# KiCad board doom v1.kicad_pcb (continued)
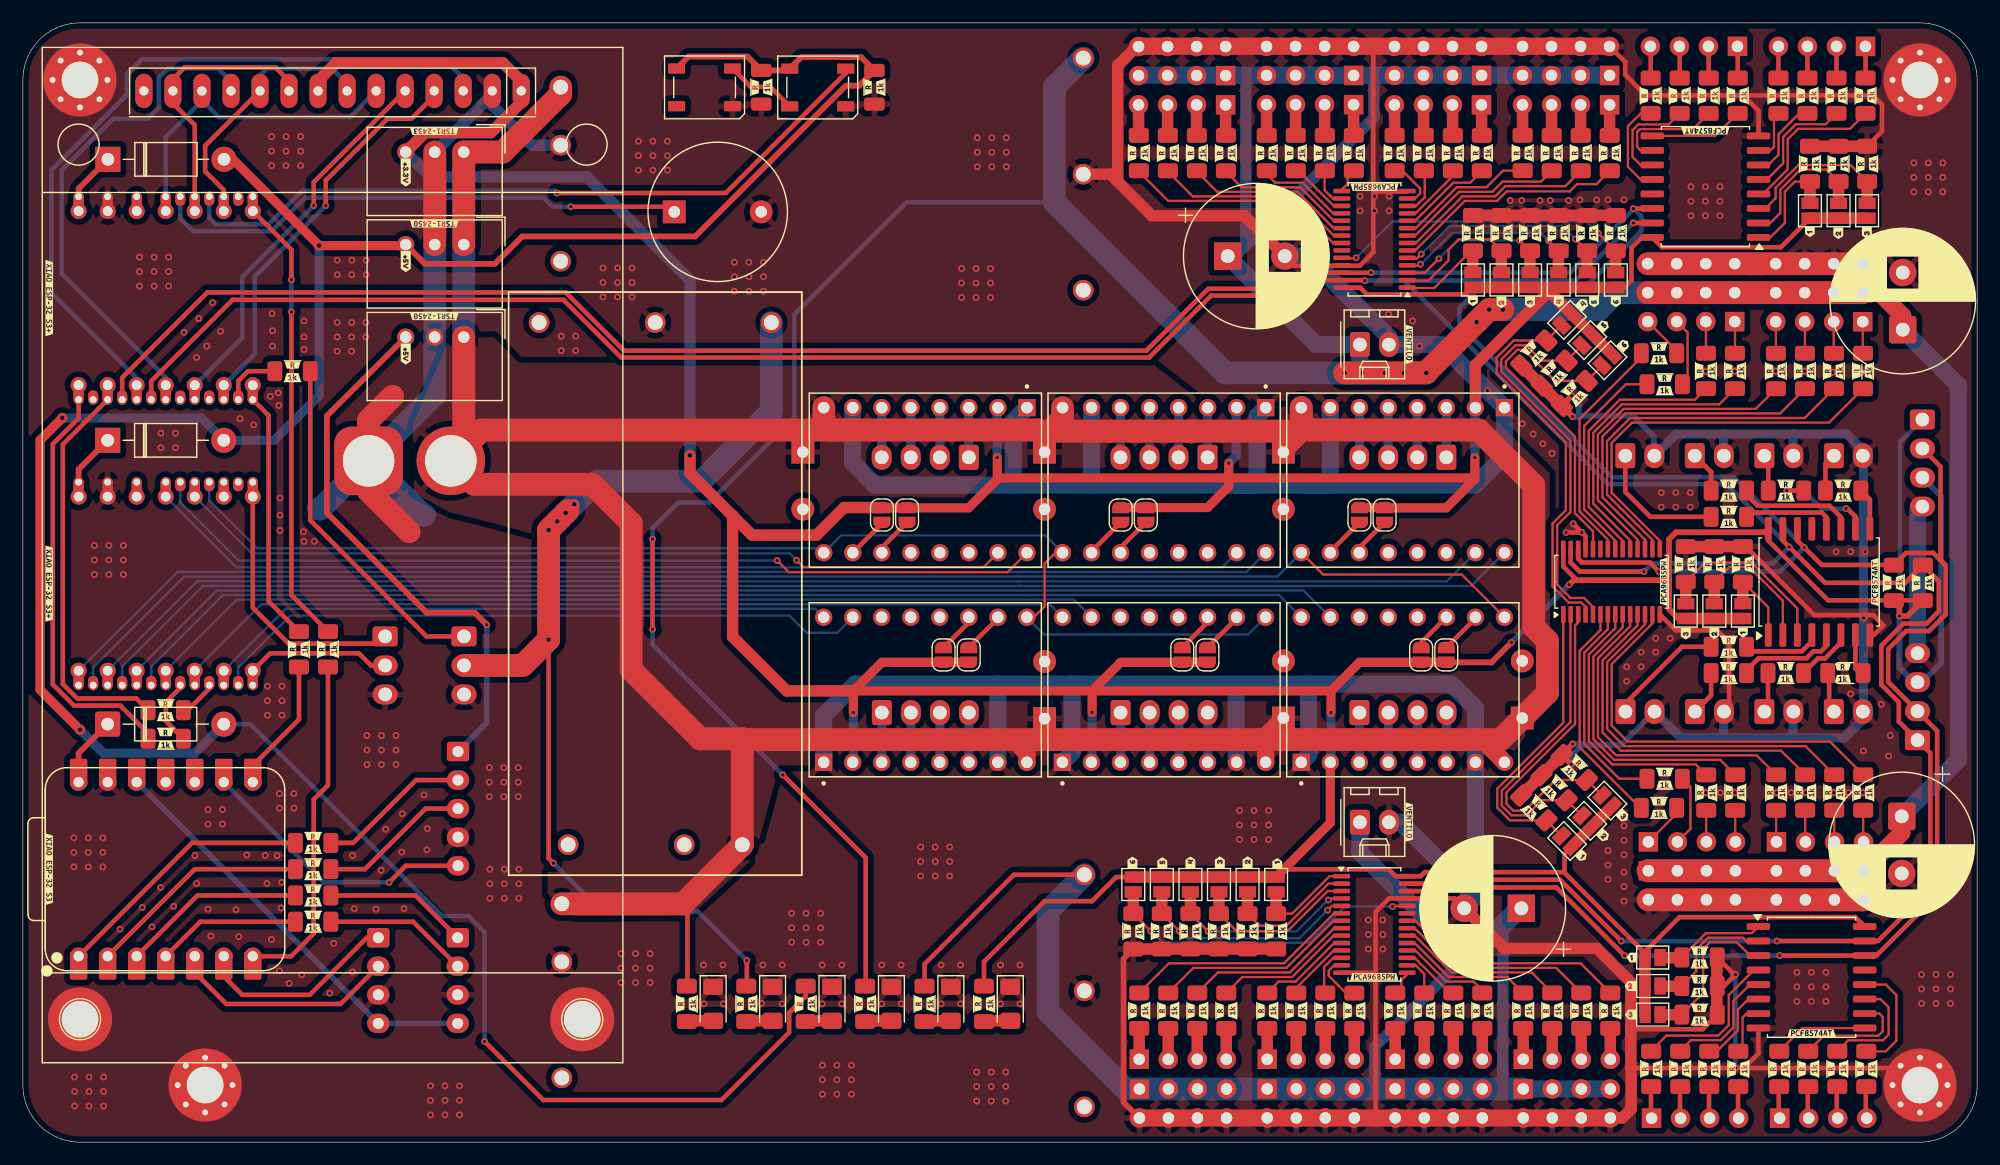
[diagram p0: board, top side]
## Routing (per net, layer and track width the routed paths; a pad name or vN(x,y) marks a point on that pad's centre or on a via; arc(x,y) is an arc through that point) (continued)
+24V: length 331.7
  Top w0.4: R115.1 58.15,13.71 58.15,20.5 57.78,20.87
  Top w1.5: 86.59,35.31 87.86,34.04 87.86,33.26 ; 127.54,35.38 129.66,33.26 ; 108.75,33.26 108.75,35.58 C5.1 ; 89.89,62.25 89.4,61.76
  Top w2: 111.86,62.35 111.76,62.25 104.89,62.25 104.89,62.26 102.43,62.26 102.43,62.25 101.98,62.25 101.98,62.26 100.26,62.26 100.26,62.25 99.44,62.25 99.44,62.26 97.72,62.26 97.72,62.25 96.9,62.25 96.9,62.26 95.18,62.26 95.18,62.25 88.91,62.25 ; 111.86,62.35 U1.8 111.86,63.02 112.53,62.35 127.39,62.35 132.2,57.54 132.2,45.1 133.4,43.9 133.4,39.33 129.32,35.25 83.83,35.25 ; 111.86,62.35 110.3,60.79 C1.1 ; 83.57,35.25 63.01,35.25 62.95,35.31 ; U3.8 70.08,62.82 70.55,62.35 88.81,62.35 88.91,62.25 ; C2.1 89.4,61.76 ; 89.4,61.76 88.91,62.25 ; 89.4,61.76 90.97,63.33 U2.8 ; Batcon2.2 39.5,57.6 49.82,57.6 53.22,54.2 53.22,41.36 59.27,35.31 62.95,35.31 ; Batcon2.2 40.15,62.35 73.22,62.35 ; Batcon2.2 38.58,60.78 U17.1 ; 62.95,35.31 PS3.1 57.78,20.87 PS4.1 ; U18.1 U16.1 41.99,86.69 47.06,91.76 PS2.1
  Bottom w2: U17.1 38.58,78.35
GND: length 864.5
  Top w0.4: 118.16,83.31 118.16,95.95 ; 118.16,83.31 118.16,77.91 116.99,76.73 111.26,76.73 110.4,77.59 ; 118.16,83.31 118.24,83.23 121.12,83.23 ; U13.8 161.95,44.4 162.8,45.25 161.9,46.15 156.75,46.15 150.75,52.15 R97.1 ; v1(136.41,53.39) 136.41,53.4 v1(135.66,54.15) ; v1(136.41,53.39) 135.04,53.39 v1(135.03,53.38) ; v1(136.41,53.39) 136.74,53.06 U9.25 ; R92.1 148.85,13.67 v1(149.85,14.67) 149.76,14.67 R91.1 ; 150.58,6.48 v1(149.85,6.48) 140.73,6.48 ; 150.58,6.48 164.52,6.48 H4.1 ; 150.58,6.48 151.86,7.77 U11.8 ; 138.86,95.93 140.21,94.57 140.21,93.44 142.01,91.65 150.27,91.65 ; U12.8 151.87,90.3 150.52,91.65 150.27,91.65 ; U7.14 118.29,14.83 118.36,14.76 ; R93.2 146.97,9.88 140.73,9.88 ; J24.2 149.3,38.16 149.3,43.75 148.24,44.81 144.63,44.81 U9.14 ; 150.27,91.65 161.87,91.65 162.67,90.85 162.67,88.5 R96.2 ; 118.36,14.76 118.36,20.16 119.54,21.33 U7.25 125.26,21.33 C8.2 ; 118.36,14.76 118.36,2.11
  Top w0.5: 97.68,2.12 96.31,3.49 96.31,16.06 R78.2 ; v1(135.53,65.34) 134.66,64.47 R90.2 v1(135.61,63.51) ; v1(135.62,34.87) R87.2 134.67,33.9 v1(135.48,33.09)
  Top w1: R73.1 R78.2 ; C8.2 129.63,16.96 137.73,16.96 140.7,13.99 140.7,9.91 140.73,9.88 140.7,9.86 140.7,6.51 140.73,6.48 140.73,2.9 139.94,2.11 138.88,2.11 ; 97.65,95.93 97.45,95.93 95.8,94.27 95.8,84.1 ; R99.2 R97.1 ; 131.08,68.02 134.62,64.48 ; 95.8,84.1 95.15,84.75 PS2.5 ; 95.8,84.1 98.79,81.11 106.89,81.11 110.4,77.59 ; 148.22,16.15 148.22,11.15 ; 126.86,81.16 139.36,81.16 ; R94.1 R96.2 ; R88.1 R90.2 ; R85.1 R87.2
  Top w1.5: 138.84,95.95 138.84,95.95 97.67,95.95 ; 97.68,2.12 97.69,2.11 138.88,2.11
  Top w2: 161.03,21.22 161.03,21.22 142.21,21.22 ; 142.19,76.91 161.01,76.91 161.01,76.92 ; U18.2 U16.2 ; 33.8,53.45 30.25,57 Batcon2.1 30.25,63.2 32.35,65.3
  Bottom w0.4: v1(149.85,6.48) v1(149.85,14.67) ; v1(135.66,54.15) 135.66,54.01
  Bottom w0.5: v1(135.61,63.51) 136.06,63.51 136.15,63.6 ; v1(135.62,34.87) 136.33,34.87 136.42,34.77 ; 142.76,37.7 139.84,34.77 136.42,34.77 ; 136.42,34.77 135.48,33.83 v1(135.48,33.09) ; 136.15,63.6 140.9,63.6 142.71,61.79 142.71,60.15 J30.2 ; 136.15,63.6 136.15,64.72 v1(135.53,65.34)
  Bottom w0.8: 148.82,35.4 145.06,35.4 142.76,37.7 ; 148.82,35.4 155.73,35.4 ; 148.82,35.4 148.82,37.67 J24.2 ; 154.89,62 154.89,60.13 J28.2 ; 154.89,62 159.6,62 161.05,60.55 v1(161.05,45.89) 161.05,37.05 159.4,35.4 155.73,35.4 ; 154.89,62 148.81,62 ; U10.13 U10.13 ; J29.2 148.81,60.13 148.81,62 ; J25.2 154.89,37.67 154.89,35.41 154.9,35.4 155.73,35.4 ; J30.2 144.65,62 148.81,62
  Bottom w1: U16.2 41.07,91.72 U14.2 41.07,90.78 44.56,87.29 PS2.2
  Bottom w1.5: 72.61,64.31 72.6,64.3 72.6,59.5 74.57,57.53 106.07,57.53 ; 91.8,40.1 91.8,34.09 90.97,33.26 ; 91.8,40.1 91.79,40.09 85.31,40.09 ; 91.8,40.1 112.5,40.1 ; C9.2 112.44,77.58 119.53,70.49 J49.2 124.12,69.83 v1(128.15,65.8) U1.1 ; 106.21,33.26 106.16,33.31 106.16,40.04 ; 127.1,21.46 C8.2 ; 127.1,21.46 U6.7 ; 127.1,21.46 120.55,28.01 J48.2 ; 85.32,33.26 85.31,33.27 ; 85.31,40.09 U4.7 ; 85.31,40.09 85.3,40.1 72.81,40.1 70.08,37.37 70.08,33.26 ; 93.5,64.31 93.51,64.3 93.51,58.18 93.5,58.17 93.5,57.53 ; 111.87,33.26 112.5,33.89 112.5,40.1 ; 112.25,57.53 127.08,57.53 129.64,60.09 U1.1 ; 112.25,57.53 106.07,57.53 ; 112.25,57.53 114.4,57.53 U1.7 ; 129.65,64.3 U1.1 ; 106.07,57.53 107.75,57.53 108,57.78 108,63.56 U2.1 108.74,64.31 ; 87.85,64.31 87.85,64.3 86.65,63.1 86.65,57.53 ; J44.4 165.78,55.22 J43.4 ; 112.5,40.1 125,40.1 127.1,38 127.1,33.27 127.11,33.26 ; C4.2 89.46,42.14
  Bottom w2: 35.15,54.9 35,54.9 Batcon2.1 ; U18.2 U17.2 36.04,65.44 Batcon2.1 ; 25.85,55.45 26.05,55.45 Batcon2.1
  vias: v1(4.46,26.64) v1(4.46,25.37) v1(4.46,24.1) v1(4.52,5.7) v1(4.52,4.43) v1(4.52,3.16) v1(5.73,26.64) v1(5.73,25.37) v1(5.73,24.1) v1(5.79,5.7) v1(5.79,4.43) v1(5.79,3.16) v1(6.26,52.24) v1(6.26,50.97) v1(6.26,49.7) v1(7,26.64) v1(7,25.37) v1(7,24.1) v1(7.06,5.7) v1(7.06,4.43) v1(7.06,3.16) v1(7.53,52.24) v1(7.53,50.97) v1(7.53,49.7) v1(8.5,18.65) v1(8.8,52.24) v1(8.8,50.97) v1(8.8,49.7) v1(10.21,77.49) v1(10.21,76.22) v1(10.21,74.95) v1(10.45,20.55) v1(11.3,18.85) v1(11.48,77.49) v1(11.48,76.22) v1(11.48,74.95) v1(12.08,62.07) v1(12.08,60.8) v1(12.05,22.3) v1(12.75,77.49) v1(12.75,76.22) v1(12.75,74.95) v1(13.2,20.65) v1(13.35,62.07) v1(13.35,60.8) v1(14.1,70.9) v1(15.05,25.1) v1(15.2,68.7) v1(15.2,22.65) v1(15.4,72.1) v1(16.1,69.7) v1(16.2,29.12) v1(16.2,27.85) v1(16.2,20.4) v1(16.45,18.05) v1(16.6,73.5) v1(17.3,71) v1(17.47,29.12) v1(17.47,27.85) v1(18.65,20.35) v1(18.9,18) v1(19,63.35) v1(19.6,25.15) v1(20.2,62.8) v1(21.2,25.1) v1(21.35,22.65) v1(21.4,39.92) v1(21.4,38.65) v1(21.4,37.38) v1(21.65,65.3) v1(21.76,88.04) v1(21.76,86.77) v1(21.76,85.5) v1(21.8,72.55) v1(21.85,71.05) v1(21.85,69.7) v1(21.75,17.75) v1(22.25,25.1) v1(22.35,65.6) v1(22.4,64.5) v1(22.45,30.52) v1(22.45,29.25) v1(22.45,15) v1(22.5,56.4) v1(22.5,54.9) v1(22.5,53.55) v1(22.6,20.5) v1(22.67,39.92) v1(22.67,38.65) v1(22.67,37.38) v1(22.65,22.75) v1(23.03,88.04) v1(23.03,86.77) v1(23.03,85.5) v1(23.3,13.9) v1(23.72,30.52) v1(23.72,29.25) v1(24.3,88.04) v1(24.3,86.77) v1(24.3,85.5) v1(24.4,14.65) v1(24.6,71.9) v1(24.6,70.5) v1(24.6,69.4) v1(24.55,53.45) v1(24.6,52.6) v1(25.5,52.6) v1(26.85,13.05) v1(27.2,17.4) v1(27.51,77.22) v1(27.51,75.95) v1(27.5,71.77) v1(27.5,70.5) v1(27.5,69.25) v1(28.78,77.22) v1(28.78,75.95) v1(28.77,71.77) v1(28.77,70.5) v1(28.77,69.25) v1(28.85,25.1) v1(28.85,14.9) v1(29,20.45) v1(30.02,71.77) v1(30.02,70.5) v1(30.05,77.22) v1(30.05,75.95) v1(30.11,35.6) v1(30.11,34.33) v1(30.11,33.06) v1(30.9,20.4) v1(31.35,23.8) v1(31.38,35.6) v1(31.38,34.33) v1(31.38,33.06) v1(31.75,27.4) v1(32.65,35.6) v1(32.65,34.33) v1(32.65,33.06) v1(33.2,28.75) v1(33.15,25.4) v1(33.35,20.45) v1(35.1,30.4) v1(35.35,25.6) v1(35.4,27.45) v1(35.67,4.93) v1(35.67,3.66) v1(35.67,2.39) v1(36.94,4.93) v1(36.94,3.66) v1(36.94,2.39) v1(38.21,4.93) v1(38.21,3.66) v1(38.21,2.39) v1(40.81,32.79) v1(40.81,31.52) v1(40.81,30.25) v1(40.86,23.89) v1(40.86,22.62) v1(40.86,21.35) v1(42.08,32.79) v1(42.08,31.52) v1(42.08,30.25) v1(42.13,23.89) v1(42.13,22.62) v1(42.13,21.35) v1(43.35,32.79) v1(43.35,31.52) v1(43.35,30.25) v1(43.4,23.89) v1(43.4,22.62) v1(43.4,21.35) v1(47.1,70.57) v1(47.1,69.3) v1(48.37,70.57) v1(48.37,69.3) v1(50.76,76.54) v1(50.76,75.27) v1(50.76,74) v1(52.03,76.54) v1(52.03,75.27) v1(52.03,74) v1(52.34,16.51) v1(52.34,15.24) v1(52.34,13.97) v1(53.3,76.54) v1(53.3,75.27) v1(53.3,74) v1(53.61,16.51) v1(53.61,15.24) v1(53.61,13.97) v1(53.86,87.64) v1(53.86,86.37) v1(53.86,85.1) v1(54.88,16.51) v1(54.88,15.24) v1(54.88,13.97) v1(55.13,87.64) v1(55.13,86.37) v1(55.13,85.1) v1(56.4,87.64) v1(56.4,86.37) v1(56.4,85.1) v1(59.55,15.51) v1(59.6,12.11) v1(61.25,15.51) v1(61.3,12.11) v1(62.26,77.04) v1(62.26,75.77) v1(62.26,74.5) v1(63.53,77.04) v1(63.53,75.77) v1(63.53,74.5) v1(64.62,12.15) v1(64.8,77.04) v1(64.8,75.77) v1(64.8,74.5) v1(64.75,15.51) v1(66.45,15.51) v1(66.44,12.11) v1(67.26,20.04) v1(67.26,18.77) v1(67.26,17.5) v1(68.53,20.04) v1(68.53,18.77) v1(68.53,17.5) v1(69.8,20.04) v1(69.8,18.77) v1(69.8,17.5) v1(69.95,15.51) v1(69.95,12.11) v1(69.96,6.74) v1(69.96,5.47) v1(69.96,4.2) v1(71.23,6.74) v1(71.23,5.47) v1(71.23,4.2) v1(71.65,15.51) v1(71.65,12.11) v1(72.5,6.74) v1(72.5,5.47) v1(72.5,4.2) v1(75.15,15.51) v1(75.15,12.11) v1(76.85,15.51) v1(76.85,12.11) v1(78.56,25.84) v1(78.56,24.57) v1(78.56,23.3) v1(79.83,25.84) v1(79.83,24.57) v1(79.83,23.3) v1(80.35,15.51) v1(80.35,12.11) v1(81.1,25.84) v1(81.1,24.57) v1(81.1,23.3) v1(82.13,76.49) v1(82.13,75.22) v1(82.13,73.95) v1(82.05,15.51) v1(82.05,12.11) v1(83.41,76.49) v1(83.41,75.22) v1(83.41,73.95) v1(83.51,87.94) v1(83.51,86.67) v1(83.51,85.4) v1(83.46,6.14) v1(83.46,4.87) v1(83.46,3.6) v1(84.68,76.49) v1(84.68,75.22) v1(84.68,73.95) v1(84.73,6.14) v1(84.73,4.87) v1(84.73,3.6) v1(84.78,87.94) v1(84.78,86.67) v1(84.78,85.4) v1(85.55,15.51) v1(85.55,12.11) v1(86,6.14) v1(86,4.87) v1(86,3.6) v1(86.05,87.94) v1(86.05,86.67) v1(86.05,85.4) v1(87.25,15.51) v1(87.25,12.11) v1(106.46,29.04) v1(106.46,27.77) v1(106.46,26.5) v1(107.73,29.04) v1(107.73,27.77) v1(107.73,26.5) v1(109,29.04) v1(109,27.77) v1(109,26.5) v1(117.01,82.81) v1(117.01,81.55) v1(117.73,19.45) v1(117.73,18.18) v1(117.73,16.91) v1(118.28,82.81) v1(118.28,81.55) v1(119,19.45) v1(119,18.18) v1(119,16.91) v1(119.5,72.5) v1(119.55,82.81) v1(119.55,81.55) v1(121.6,71.9) v1(122.2,69.7) v1(130.15,82.45) v1(131.15,82.45) v1(131.2,62.9) v1(132.15,62) v1(132.75,82.45) v1(133,61.15) v1(133.65,82.45) v1(133.8,60.3) v1(135.25,82.45) v1(136.25,82.5) v1(137.7,82.5) v1(138.7,82.5) v1(138.7,25.54) v1(138.7,24.27) v1(138.7,23) v1(140.1,82.5) v1(140.1,27.7) v1(140.1,26.43) v1(140.1,25.16) v1(140.1,23.64) v1(140.1,22.37) v1(140.1,21.1) v1(140.33,41.63) v1(140.33,40.36) v1(141.6,42.9) v1(141.6,41.63) v1(142.87,44.11) v1(142.87,42.9) v1(143.36,56.87) v1(143.36,55.6) v1(144.14,44.11) v1(144.63,56.87) v1(144.63,55.6) v1(145.9,56.87) v1(145.9,55.6) v1(145.95,83.66) v1(145.95,82.39) v1(145.95,81.12) v1(147.22,83.66) v1(147.22,82.39) v1(147.22,81.12) v1(147.26,67.5) v1(147.26,30.6) v1(148.49,83.66) v1(148.49,82.39) v1(148.49,81.12) v1(148.53,30.6) v1(149.8,67.5) v1(149.8,30.6) v1(153.36,67.5) v1(153.46,30.6) v1(154.73,30.6) v1(155.23,14.87) v1(155.23,13.6) v1(155.23,12.33) v1(155.9,67.5) v1(156,30.6) v1(156.5,14.87) v1(156.5,13.6) v1(156.5,12.33) v1(157.77,14.87) v1(157.77,13.6) v1(157.77,12.33) v1(158.36,67.4) v1(158.46,30.6) v1(158.66,51.7) v1(159.73,30.6) v1(159.93,51.7) v1(159.93,39.25) v1(160.9,67.4) v1(161,30.6) v1(161.05,34.25) v1(161.2,51.7) v1(162.6,38.35) v1(163.25,33.8) v1(163.4,35.6) v1(165.46,85.74) v1(165.46,84.47) v1(165.46,83.2) v1(166.13,14.68) v1(166.13,13.41) v1(166.13,12.14) v1(166.73,85.74) v1(166.73,84.47) v1(166.73,83.2) v1(167.4,14.68) v1(167.4,13.41) v1(167.4,12.14) v1(168,85.74) v1(168,84.47) v1(168,83.2) v1(168.67,14.68) v1(168.67,13.41) v1(168.67,12.14)
CS (touch): length 45.2
  Bottom w0.2: U15.4 U15.4
  Bottom w0.4: U15.4 12.5,66.95 3.4,76.05 3.4,85.1 7.9,89.6 10.9,89.6 11.9,90.6 11.9,93.19 12.71,94 17.1,94 18.21,92.89 U14.11
CS (écran): length 66.1
  Bottom w0.2: U15.3 U15.3
  Bottom w0.4: U14.3 38.53,93.16 36.89,94.8 10.4,94.8 9.1,93.5 9.1,91.7 2.5,85.1 2.5,74.35 9.96,66.89 U15.3
data: length 63.8
  Top w0.4: D11.4 72,93.6 61.5,83.1 v1(46.72,83.1)
  Bottom w0.4: v1(46.72,83.1) 46.52,83.3 24.45,83.3 21.53,80.38 16.87,80.38 16.31,80.94 U15.22
DC: length 34.7
  Top w0.4: U14.5 33.44,92.04 25.45,84.05 v1(25.45,82)
  Bottom w0.2: U15.5 U15.5
  Bottom w0.4: U15.5 19.2,70.44 19.2,75.75 v1(25.45,82)
DIR 1: length 126.9
  Bottom w0.2: 87.37,48.7 15.75,48.7 8.69,41.64 U10.16 ; 87.37,48.7 87.21,48.7 ; 87.37,48.7 126.73,48.7 U1.9
DIR 2: length 109.4
  Bottom w0.2: U2.9 107.06,49.92 13.52,49.92 U10.1 U10.1
DIR 3: length 79.1
  Top w0.2: U3.9 86.15,49.9 67.03,49.9 v1(66,50.92)
  Bottom w0.2: v1(66,50.92) 18.88,50.92 13.77,56.03 U10.23
DIR 4: length 56.3
  Bottom w0.2: U4.9 69.34,46.69 23,46.69 U10.6 U10.6
DIR 5: length 80.1
  Bottom w0.2: U5.9 89.82,47.1 20.86,47.1 U10.5 U10.5
DIR 6: length 105.8
  Bottom w0.2: 87.95,47.9 17.5,47.9 11.23,41.63 U10.17 ; 87.95,47.9 87.75,47.9 ; 87.95,47.9 109.92,47.9 U6.9
EN: length 109.2
  Top w0.2: U2.16 90.36,51.61 89.4,50.65 89.4,46.9 88.46,45.96 U4.16
  Bottom w0.2: U2.16 90.97,51.62 89.46,53.13 71.6,53.13 U3.16 69.69,52 20.5,52 16.31,56.19 U10.22 ; 108.73,45.97 107.21,44.45 89.35,44.45 87.84,45.96 87.84,45.97
EN M: length 131.5
  Top w0.2: U6.16 125.9,49.7 113.77,49.7 U1.16
  Bottom w0.2: U10.15 6.15,41.55 14.12,49.52 109.77,49.52 U1.16
LI AX12A: length 30.7
  Top w0.4: J46.1 35.32,44.28 25.15,54.45 R106.1
Lidar_PWM: length 24.7
  Top w0.4: J50.5 33.5,24.2 v1(32.05,22.75)
  Bottom w0.4: U19.9 26.35,22.75 v1(32.05,22.75)
MISO: length 24.3
  Top w0.4: U15.10 15.04,89.05 13.13,90.95 U14.13 13.13,93.08 14.15,94.1 22.1,94.1 23.29,92.91 U14.9
  Bottom w0.4: U15.10 U15.10
MOSI: length 29.4
  Bottom w0.4: U14.6 28.62,89.75 17.15,89.75 15.67,91.23 U14.12 15.67,91.17 12.5,88 U15.11 U15.11
RST: length 35.9
  Top w0.4: v1(26.5,82) 26.5,84.2 31.9,89.6 34,89.6 35.99,91.59 U14.4
  Bottom w0.2: U15.6 U15.6
  Bottom w0.4: U15.6 20.3,69 20.3,75.8 v1(26.5,82)
RX: length 30
  Top w0.4: U19.7 23.48,16.28 25.45,18.25 25.45,30 26.7,31.25 R107.1
RX B: length 24.1
  Top w0.4: J45.1 31.07,43.65 23.26,43.65 20.12,46.79 U10.8
  Bottom w0.2: U10.8 U10.8
RX driver: length 5.8
  Top w0.4: R100.1 12.51,36.86 12.51,38.51 13.77,39.77 U10.18
RX LIDAR: length 13.3
  Top w0.4: R118.1 29.93,23.9 35.22,29.2 J50.3
RX XBEE: length 12.6
  Top w0.4: J51.1 34.35,21.6 R117.1
SCK: length 23.6
  Top w0.4: U15.9 17.58,83.37 15.95,85 15.95,87.24 U14.10
  Bottom w0.4: U14.7 28.37,92.68 27.05,94 21.35,94 20.75,93.4 U14.10 ; U15.9 U15.9
SCL: length 340.8
  Top w0.4: U7.26 122.85,21.98 122.85,21.98 123.33,21.98 123.65,22.3 134.18,22.3 v1(140.15,16.33) ; v1(153.73,16.33) 161.15,16.33 U11.14 162.18,16.34 167.5,21.66 167.5,36.01 J43.2 163.21,40.3 163.21,43.17 164.79,44.75 166.8,44.75 167.83,45.79 167.83,45.79 168.25,46.2 168.25,50.5 ; U15.16 8.69,66.94 16.15,74.4 47.5,74.4 52.6,69.3 98.3,69.3 103.72,74.72 111.95,74.72 113.3,76.07 113.37,76.07 113.42,76.12 U8.26 117.95,76.12 v1(117.96,76.14) ; J44.2 167.8,59.14 167.8,50.95 168.25,50.5 ; U12.14 142.56,81.74 v1(140.91,81.74) ; U9.26 136.09,51.08 136.42,50.75 142.37,50.75 v1(143.15,49.97) ; 168.25,50.5 167.16,51.59 164.78,51.59 163.73,50.54 157.4,50.54 v1(155.87,52.07) 155.27,52.67 U13.14
  Bottom w0.4: v1(143.15,49.97) 153.76,49.97 v1(155.87,52.07) 149.72,58.22 139.04,58.22 125.7,71.56 125.7,73.05 127.3,74.65 136.5,74.65 141.61,79.76 141.61,80.19 141.61,80.19 141.61,80.78 141.61,80.78 141.61,81.07 140.94,81.74 v1(140.91,81.74) 140.91,81.67 135.38,76.14 v1(117.96,76.14) ; v1(140.15,16.33) v1(153.73,16.33)
SCL gyro: length 18
  Top w0.4: J47.1 30.1,17.9 25.1,12.9 19.2,12.9 17.58,14.52 U19.6
SDA: length 328.5
  Top w0.4: v1(141.85,49.95) 136.23,49.95 135.44,50.74 U9.27 ; v1(140.91,80.49) 142.57,80.49 U12.15 ; R108.1 167.65,49.12 167.65,46.48 166.58,45.41 164.55,45.41 162.61,43.47 162.61,40.05 164.15,38.51 164.15,36.82 J43.1 166.9,34.07 166.9,22.2 162.31,17.61 U11.15 v1(153.49,17.61) ; R108.1 164.7,48.97 ; R108.1 164.7,48.97 ; v1(164.25,48.97) 164.7,48.97 ; v1(164.25,48.97) 164.7,48.97 ; v1(164.25,48.97) 157.7,48.97 v1(154.56,52.11) 154,52.67 U13.15 ; v1(139.86,17.61) 134.49,22.98 123.17,22.98 122.82,22.64 U7.27 ; v1(117.42,75.42) 117.37,75.47 U8.27 113.55,75.47 112.2,74.12 103.97,74.12 98.55,68.7 52.35,68.7 47.3,73.75 18.35,73.75 11.23,66.63 U15.17
  Bottom w0.4: J44.1 164.25,61.3 v1(164.25,48.97) ; v1(139.86,17.61) v1(153.49,17.61) ; v1(141.85,49.95) 142.57,50.67 153.11,50.67 v1(154.56,52.11) 149.05,57.62 138.68,57.62 120.88,75.42 v1(117.42,75.42) 135.85,75.42 v1(140.91,80.49) 140.91,80.48
SDA gyro: length 20
  Top w0.4: J47.2 27.8,12.1 17.8,12.1 15.04,14.86 U19.5
STEP 1: length 125.4
  Bottom w0.2: 87.25,49.1 19.92,49.1 15.24,49.1 U10.2 U10.2 ; 87.25,49.1 87.04,49.1 ; 87.25,49.1 124.59,49.1 U1.10
STEP 2: length 98.1
  Bottom w0.2: U2.10 104.93,50.33 18.69,50.33 U10.11 U10.11
STEP 3: length 74.6
  Top w0.2: U3.10 84.06,50.35 68.3,50.35 v1(67.7,50.95)
  Bottom w0.2: v1(67.7,50.95) 67.1,51.55 20.01,51.55 U10.10 U10.10
STEP 4: length 58.4
  Bottom w0.2: U4.10 71.25,44.6 68.6,44.6 67.1,46.1 23.4,46.1 18.85,41.55 U10.20
STEP 5: length 85.5
  Bottom w0.2: U10.4 U10.4 18.72,47.5 91.96,47.5 U5.10
STEP 6: length 109.6
  Bottom w0.2: U6.10 112.06,48.3 16.98,48.3 U10.3 U10.3
TX: length 11.8
  Top w0.4: U19.8 20.12,32.97 24.16,37.01 R103.1
TX B: length 13.9
  Top w0.4: U10.7 21.64,42.8 29.4,42.8 30.46,41.74 J45.2
  Bottom w0.2: U10.7 U10.7
TX driver: length 3.3
  Top w0.4: U10.19 16.31,39.71 14.42,37.82 R101.1
TX LIDAR: length 13.4
  Top w0.4: R102.1 28.9,26.2 34.4,31.7 J50.2
TX XBEE: length 12.7
  Top w0.4: R119.1 34.15,19.3 J51.2
Net-(BZ1-+): length 47.4
  Top w0.4: BZ1.1 56.55,81.9 v1(47.95,81.9)
  Bottom w0.4: U15.23 13.77,80.87 14.89,79.75 21.75,79.75 24.7,82.7 45.55,82.7 46.35,81.9 v1(47.95,81.9)
Net-(D1-K): length 6
  Top w0.5: U10.14 4.88,58.91 D1.1
  Bottom w0.5: U10.14 U10.14
Net-(D3-K): length 5.6
  Top w0.5: D3.1 4.88,83.49 U15.14
Net-(D5-A): length 2.3
  Top w1: D5.2 68.5,10.62
Net-(D6-A): length 2.3
  Top w1: D6.2 78.9,10.62
Net-(D7-A): length 2.3
  Top w1: D7.2 63.3,10.62
Net-(D8-A): length 2.3
  Top w1: D8.2 58.1,10.62
Net-(D9-A): length 2.3
  Top w1: D9.2 73.7,10.62
Net-(D10-A): length 2.3
  Top w1: D10.2 84.1,10.62
Net-(D11-DOUT): length 6.4
  Top w0.4: D11.2 65.39,92.4 63.7,92.4 D12.4
Net-(D13-K): length 6.1
  Top w0.5: D13.1 4.88,34.06 U19.14
Net-(J1-Pin_1): length 4.4
  Top w0.8: 124.55,64.3 U1.3
  Bottom w0.8: J1.1 124.55,64.3
Net-(J1-Pin_2): length 4.4
  Top w0.8: 122.01,64.3 U1.4
  Bottom w0.8: J1.2 122.01,64.3
Net-(J1-Pin_3): length 4.4
  Top w0.8: 119.47,64.3 U1.5
  Bottom w0.8: J1.3 119.47,64.3
Net-(J1-Pin_4): length 4.4
  Top w0.8: 116.94,59.97 J1.4
  Bottom w0.8: U1.6 116.94,59.97
Net-(J2-Pin_1): length 4.4
  Top w0.8: 103.65,64.3 103.66,64.31
  Bottom w0.8: 103.65,64.31 103.65,59.97
Net-(J2-Pin_2): length 4.4
  Top w0.8: 101.11,64.3 101.12,64.31
  Bottom w0.8: J2.2 101.12,64.3
Net-(J2-Pin_3): length 4.4
  Top w0.8: 98.57,64.3 98.58,64.31
  Bottom w0.8: J2.3 98.58,64.3
Net-(J2-Pin_4): length 4.4
  Top w0.8: 96.04,59.97 96.03,59.96
  Bottom w0.8: J2.4 96.04,64.3
Net-(J3-Pin_1): length 4.4
  Top w0.8: 82.76,64.3 82.77,64.31
  Bottom w0.8: 82.76,64.31 82.76,59.97
Net-(J3-Pin_2): length 4.4
  Top w0.8: 80.22,64.3 80.23,64.31
  Bottom w0.8: J3.2 80.23,64.3
Net-(J3-Pin_3): length 4.4
  Top w0.8: 77.68,64.3 77.69,64.31
  Bottom w0.8: J3.3 77.69,64.3
Net-(J3-Pin_4): length 4.4
  Top w0.8: 75.15,59.97 75.14,59.96
  Bottom w0.8: J3.4 75.15,64.3
Net-(J4-Pin_1): length 4.4
  Top w0.8: 75.17,33.27 75.16,33.26
  Bottom w0.8: 75.17,33.26 75.17,37.6
Net-(J4-Pin_2): length 4.4
  Top w0.8: 77.71,33.27 77.7,33.26
  Bottom w0.8: J4.2 77.7,33.27
Net-(J4-Pin_3): length 4.4
  Top w0.8: 80.25,33.27 80.24,33.26
  Bottom w0.8: J4.3 80.24,33.27
Net-(J4-Pin_4): length 4.4
  Top w0.8: 82.78,37.6 82.79,37.61
  Bottom w0.8: J4.4 82.78,33.27
Net-(J5-Pin_1): length 4.4
  Top w0.8: 96.06,33.27 96.05,33.26
  Bottom w0.8: 96.07,33.26 96.07,37.6
Net-(J5-Pin_2): length 4.4
  Top w0.8: 98.6,33.27 98.59,33.26
  Bottom w0.8: 98.6,37.61 98.6,33.27
Net-(J5-Pin_3): length 4.4
  Top w0.8: 101.14,33.27 101.13,33.26
  Bottom w0.8: 101.14,37.61 101.14,33.27
Net-(J5-Pin_4): length 4.4
  Top w0.8: 103.67,37.6 103.68,37.61
  Bottom w0.8: 103.68,37.61 103.68,33.27
Net-(J6-Pin_1): length 4.4
  Top w0.8: 116.96,33.27 116.95,33.26
  Bottom w0.8: 116.96,33.26 116.96,37.6
Net-(J6-Pin_2): length 4.4
  Top w0.8: 119.5,33.27 119.49,33.26
  Bottom w0.8: J6.2 119.49,33.27
Net-(J6-Pin_3): length 4.4
  Top w0.8: 122.04,33.27 122.03,33.26
  Bottom w0.8: J6.3 122.03,33.27
Net-(J6-Pin_4): length 4.4
  Top w0.8: 124.57,37.6 124.58,37.61
  Bottom w0.8: J6.4 124.57,33.27
Net-(J7-Pin_1): length 2.7
  Top w1: J7.1 97.68,9.96 R1.2
Net-(J7-Pin_2): length 2.7
  Top w1: R2.2 100.22,7.26 J7.2
Net-(J7-Pin_3): length 2.7
  Top w1: R3.2 102.76,9.96 J7.3
Net-(J7-Pin_4): length 2.7
  Top w1: J7.4 105.3,7.26 R4.1
Net-(J8-Pin_1): length 2.7
  Top w1: R5.2 108.88,9.96 J8.1
Net-(J8-Pin_2): length 2.7
  Top w1: R6.2 111.42,7.26 J8.2
Net-(J8-Pin_3): length 2.7
  Top w1: R7.2 113.96,9.96 J8.3
Net-(J8-Pin_4): length 2.7
  Top w1: R8.1 116.5,7.26 J8.4
Net-(J9-Pin_1): length 2.7
  Top w1: R9.2 120.08,9.96 J9.1
Net-(J9-Pin_2): length 2.7
  Top w1: J9.2 122.62,7.26 R10.2
Net-(J9-Pin_3): length 2.7
  Top w1: J9.3 125.16,9.96 R11.2
Net-(J9-Pin_4): length 2.7
  Top w1: J9.4 127.7,7.26 R12.1
Net-(J10-Pin_1): length 2.7
  Top w1: R13.2 131.28,9.96 J10.1
Net-(J10-Pin_2): length 2.7
  Top w1: R14.2 133.82,9.96 J10.2
Net-(J10-Pin_3): length 2.7
  Top w1: R15.2 136.36,7.26 J10.3
Net-(J10-Pin_4): length 2.7
  Top w1: J10.4 138.9,7.26 R16.1
Net-(J11-Pin_1): length 2.7
  Top w1: 138.84,90.81 138.84,88.11 138.84,88.11
Net-(J11-Pin_2): length 2.7
  Top w1: 136.3,88.11 136.3,90.81 136.3,90.81
Net-(J11-Pin_3): length 2.7
  Top w1: 133.76,88.11 133.76,88.11 133.76,90.81
Net-(J11-Pin_4): length 2.7
  Top w1: 131.22,90.81 131.22,90.81 131.22,88.11
Net-(J12-Pin_1): length 2.7
  Top w1: 127.64,88.11 127.64,88.11 127.64,90.81
Net-(J12-Pin_2): length 2.7
  Top w1: 125.1,90.81 125.1,90.81 125.1,88.11
Net-(J12-Pin_3): length 2.7
  Top w1: 122.56,88.11 122.56,88.11 122.56,90.81
Net-(J12-Pin_4): length 2.7
  Top w1: 120.02,90.81 120.02,90.81 120.02,88.12
Net-(J13-Pin_1): length 2.7
  Top w1: 116.44,88.11 116.44,88.11 116.44,90.81
Net-(J13-Pin_2): length 2.7
  Top w1: 113.9,88.11 113.9,90.81 113.9,90.81
Net-(J13-Pin_3): length 2.7
  Top w1: 111.36,90.81 111.36,88.11 111.36,88.11
Net-(J13-Pin_4): length 2.7
  Top w1: 108.82,88.11 108.82,90.81 108.82,90.81
Net-(J14-Pin_1): length 2.7
  Top w1: 105.24,90.81 105.24,88.11 105.24,88.11
Net-(J14-Pin_2): length 2.7
  Top w1: 102.7,88.11 102.7,88.11 102.7,90.81
Net-(J14-Pin_3): length 2.7
  Top w1: 100.16,88.11 100.16,90.81 100.16,90.81
Net-(J14-Pin_4): length 2.7
  Top w1: 97.62,88.11 97.62,90.81 97.62,90.81
Net-(J15-Pin_1): length 4
  Top w0.2: R33.2 144.71,28.77 J15.1 ; 142.21,26.32 142.23,26.3
Net-(J15-Pin_2): length 6.3
  Top w0.2: R34.2 145.91,31.12 145.91,27.43 J15.2 ; 144.75,26.32 144.77,26.3
Net-(J15-Pin_3): length 2.8
  Top w0.2: R35.2 147.29,26.32 147.31,26.3
Net-(J15-Pin_4): length 2.8
  Top w0.2: 149.85,26.3 149.83,26.32 R36.1
Net-(J16-Pin_1): length 2.8
  Top w0.2: R37.2 153.41,26.32 153.43,26.3
Net-(J16-Pin_2): length 2.8
  Top w0.2: 155.97,26.3 155.95,26.32 R38.2
Net-(J16-Pin_3): length 2.8
  Top w0.2: R39.2 158.49,26.32 158.51,26.3
Net-(J16-Pin_4): length 2.8
  Top w0.2: 161.05,26.3 161.03,26.32 R40.1
Net-(J17-Pin_1): length 2.8
  Top w0.2: R41.2 160.99,69.09 160.99,71.84
Net-(J17-Pin_2): length 2.8
  Top w0.2: 158.45,71.84 158.45,69.09 R42.2
Net-(J17-Pin_3): length 2.8
  Top w0.2: R43.2 155.93,71.82 155.91,71.84
Net-(J17-Pin_4): length 2.8
  Top w0.2: 153.37,71.84 153.39,71.82 R44.1
Net-(J18-Pin_1): length 2.8
  Top w0.2: 149.79,71.83 149.81,71.81 R45.2
Net-(J18-Pin_2): length 2.8
  Top w0.2: R46.2 147.27,71.81 147.25,71.83
Net-(J18-Pin_3): length 6.1
  Top w0.2: 144.73,71.81 144.71,71.83 ; J18.3 145.66,70.89 145.66,66.81 R47.2
Net-(J18-Pin_4): length 3.9
  Top w0.2: J18.4 144.71,69.3 R48.1 ; 142.19,71.81 142.17,71.83
Net-(J19-Pin_1): length 2.8
  Top w0.4: 142.46,4.88 142.46,2.12
Net-(J19-Pin_2): length 2.8
  Top w0.4: 145,2.12 145,4.88
Net-(J19-Pin_3): length 2.8
  Top w0.4: 147.54,4.88 147.54,2.12
Net-(J19-Pin_4): length 2.8
  Top w0.4: 150.08,4.88 150.08,2.12
Net-(J20-Pin_1): length 2.8
  Top w0.4: 153.64,2.12 153.64,4.88
Net-(J20-Pin_2): length 2.8
  Top w0.4: 156.18,4.88 156.18,2.12
Net-(J20-Pin_3): length 2.8
  Top w0.4: 158.72,2.12 158.72,4.88
Net-(J20-Pin_4): length 2.8
  Top w0.4: 161.26,4.88 161.26,2.12
Net-(J21-Pin_1): length 2.8
  Top w0.4: R57.2 161.23,95.94
Net-(J21-Pin_2): length 2.8
  Top w0.4: 158.69,95.94 R58.2
Net-(J21-Pin_3): length 2.8
  Top w0.4: R59.2 156.15,95.94
Net-(J21-Pin_4): length 2.8
  Top w0.4: R60.1 153.61,95.94
Net-(J22-Pin_1): length 2.8
  Top w0.4: 150.05,95.94 R61.2
Net-(J22-Pin_2): length 2.8
  Top w0.4: R62.2 147.51,95.94
Net-(J22-Pin_3): length 2.8
  Top w0.4: 144.97,95.94 R63.2
Net-(J22-Pin_4): length 2.8
  Top w0.4: R64.1 142.43,95.94
Net-(J23-Pin_1): length 10.3
  Top w0.4: R65.2 145.17,43.37 140.23,38.42 J23.1
Net-(J24-Pin_1): length 4
  Top w0.4: R66.2 147.72,39.12 146.28,37.67
Net-(J25-Pin_1): length 3.5
  Top w0.4: R67.2 152.7,38.02 J25.1
Net-(J26-Pin_1): length 3.6
  Top w0.4: J26.1 158.05,38.11 158.05,40.94 R68.1
Net-(J27-Pin_1): length 3.3
  Top w0.4: R69.2 157.72,59.36 158.43,60.07
Net-(J28-Pin_1): length 3.2
  Top w0.4: J28.1 152.72,59.76 R70.2
Net-(J29-Pin_1): length 3.7
  Top w0.4: 146.27,60.13 147.72,58.67 R71.2
Net-(J30-Pin_1): length 11.6
  Top w0.4: J30.1 140.21,56.94 142.4,54.75 R72.1
Net-(JP1-B): length 3.7
  Top w0.4: 114.4,51.71 JP1.2
  Bottom w0.4: U1.15 114.4,51.71
